# Altium PCB SEC_3002_DZ&HL - 副本.PcbDoc (part 1 of 2) (continued)
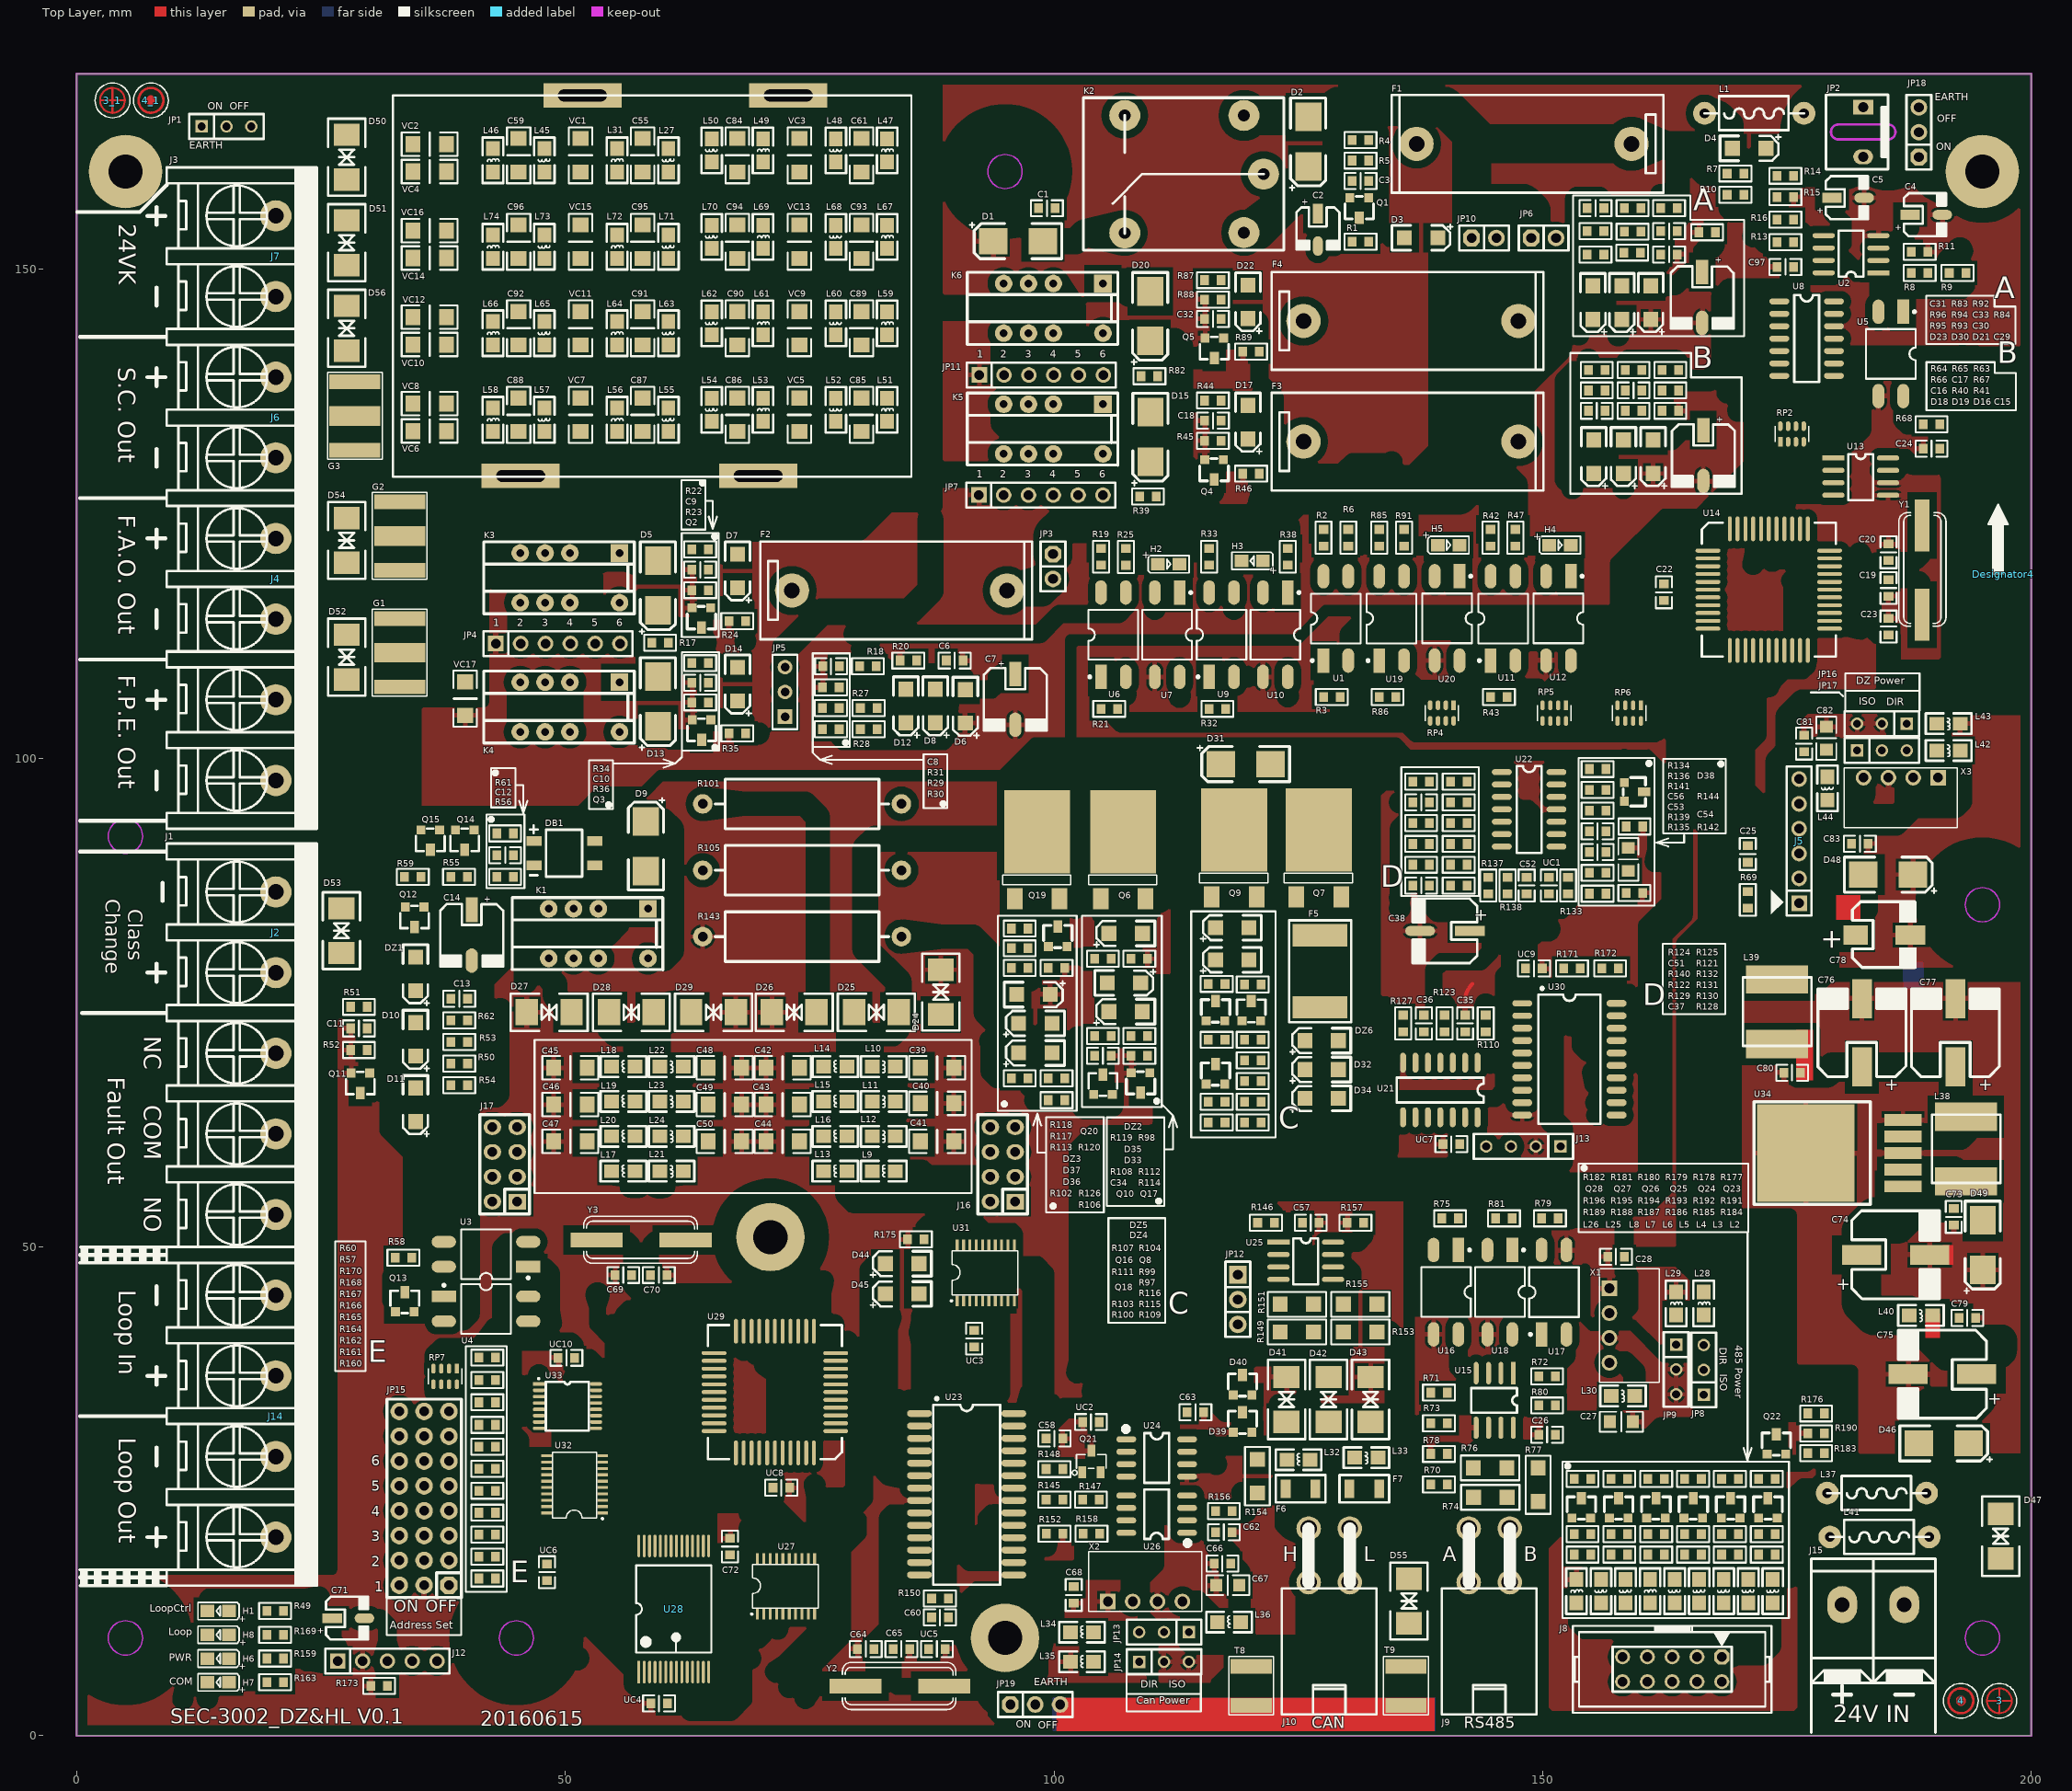
[diagram p0: Top Layer view]
## Components (designator, comment, footprint, x,y, rotation, side; value= is the part's Value field where it differs from the comment) (continued)
F6 "NSM025" NSM025 123.711,25.264 r0 top (schematic designator F4)
F7 "NSM025" NSM025 133.283,25.264 r180 top (schematic designator F4)
G1 "3SPC090F" 3SPC90F-7650 33.068,107.279 r90 top
G2 "3SPC090F" 3SPC90F-7650 33.068,119.215 r90 top
G3 "3SPC090F" 3SPC90F-7650 28.463,131.504 r90 top
H1 "Green" 0805LED 15.596,12.753 r180 top
H2 "Yellow" 0805LED 110.649,119.842 r0 top
H3 "Red" 0805LED 121.389,120.181 r180 top
H4 "Yellow" 0805LED 150.687,121.79 r0 top
H5 "Yellow" 0805LED 139.284,121.79 r0 top
H6 "Red" 0805LED 15.596,7.889 r180 top
H7 "Green" 0805LED 15.596,5.457 r180 top
H8 "Yellow" 0805LED 15.596,10.321 r180 top
J1 "Header 3" BRTB825-02-03 20.387,53.305 r90 top
J2 "Header 2" BRTB825-02-02 20.387,78.055 r90 top
J3 "MHDR1X2" BRTB825-02-02 20.387,97.717 r90 top
J4 "MHDR1X2" BRTB825-02-02 20.387,114.217 r90 top
J5 "TJ5-2.54-6T" SIP-6 176.246,85.158 r90 top
J6 "MHDR1X2" BRTB825-02-02 20.387,130.717 r90 top
J7 "MHDR1X2" BRTB825-02-02 20.387,147.217 r90 top
J8 "DC2-2.54-5Z" 2.54X5Z 168.337,8.061 r180 top
J9 "OUTPUT" "MX 4.2-2*2-180" 142.44,21.196 r270 top
J10 "INPUT1" "MX 4.2-2*2-180" 126.063,21.196 r270 top
J12 "CON5" TJ5_100_5PIN 26.719,7.632 r0 top
J13 "CON4" SIP4 151.846,60.27 r180 top
J14 "CON4" BRTB825-02-04 20.387,20.305 r90 top
J15 "MHDR1X2" 6.35MM-2PIN 183.829,13.403 r180 top
J16 "HEADER 4X2" TJ5A_100_8PIN 96.032,54.63 r90 top
J17 "HEADER 4X2" TJ5A_100_8PIN 45.08,54.63 r90 top
JP1 "JUMP" SIP-3#1 12.798,164.611 r0 top
JP2 "" JUMP1 182.423,162.398 r270 top
JP3 "" SIP-2 99.902,120.87 r270 top
JP4 "" SIP-6-1 42.898,111.717 r0 top
JP5 "JUMP" HDR1X3 72.488,104.229 r90 top
JP6 "" SIP-2 148.834,153.204 r0 top
JP7 "" SIP-6-1 92.318,126.901 r0 top
JP8 "JUMP" SIP3 166.487,34.877 r90 top
JP9 "JUMP" SIP3 163.664,40.004 r270 top
JP10 "" SIP-2 142.732,153.204 r0 top
JP11 "" SIP-6-1 92.356,139.189 r0 top
JP12 "JUMP" SIP-3#2 118.815,42.07 r90 top
JP13 "JUMP" SIP3 113.795,10.585 r180 top
JP14 "JUMP" SIP3 108.715,7.559 r0 top
JP15 "INPUT" "SW 8" 38.098,15.387 r90 top
JP16 "JUMP" SIP3 182.183,100.776 r0 top
JP17 "JUMP" SIP3 187.263,103.521 r180 top
JP18 "JUMP" SIP-3#3 188.506,161.484 r90 top
JP19 "JUMP" SIP-3#3 95.549,3.185 r0 top
K1 "HFD3/24" HFD3 52.672,82.582 r180 top
K2 "HF7FF/024-1ZTSF" JZC-7FF 107.25,165.739 r0 top
K3 "HFD3/24" HFD3 49.762,118.973 r180 top
K4 "HFD3/24" HFD3 49.762,105.757 r180 top
K5 "HFD3/24" HFD3 99.226,134.193 r180 top
K6 "HFD3/24" HFD3 99.226,146.542 r180 top
L1 "" L_C 166.575,165.96 r0 top
L2 "60Ω-3A-[0805]" L-0805 173.555,13.592 r90 top
L3 "60Ω-3A-[0805]" L-0805 171.044,13.592 r90 top
L4 "60Ω-3A-[0805]" L-0805 168.533,13.592 r90 top
L5 "60Ω-3A-[0805]" L-0805 166.021,13.592 r90 top
L6 "60Ω-3A-[0805]" L-0805 163.51,13.592 r90 top
L7 "60Ω-3A-[0805]" L-0805 160.999,15.968 r270 top
L8 "60Ω-3A-[0805]" L-0805 158.487,13.592 r90 top
L9 "600/3A" L-0805 81.405,57.743 r0 top
L10 "600/3A" L-0805 83.781,68.442 r180 top
L11 "600/3A" L-0805 83.781,64.876 r180 top
L12 "600/3A" L-0805 83.781,61.309 r180 top
L13 "600/3A" L-0805 76.443,57.743 r0 top
L14 "600/3A" L-0805 76.443,68.442 r0 top
L15 "600/3A" L-0805 76.443,64.876 r0 top
L16 "600/3A" L-0805 76.443,61.309 r0 top
L17 "600/3A" L-0805 54.758,57.743 r0 top
L18 "600/3A" L-0805 54.758,68.442 r0 top
L19 "600/3A" L-0805 54.758,64.876 r0 top
L20 "600/3A" L-0805 54.758,61.309 r0 top
L21 "600/3A" L-0805 62.069,57.743 r180 top
L22 "600/3A" L-0805 62.069,68.442 r180 top
L23 "600/3A" L-0805 62.069,64.876 r180 top
L24 "600/3A" L-0805 62.069,61.309 r180 top
L25 "60Ω-3A-[0805]" L-0805 155.976,13.592 r90 top
L26 "60Ω-3A-[0805]" L-0805 153.465,15.968 r270 top
L27 "600/3A" L-0805 60.553,159.964 r90 top
L28 "BEAD" L-0805 166.487,45.404 r270 top
L29 "BEAD" L-0805 163.664,45.404 r270 top
L30 "BEAD" L-0805 159.414,34.757 r180 top
L31 "600/3A" L-0805 55.297,162.34 r270 top
L32 "BEAD" L-0805 123.836,28.232 r0 top
L33 "BEAD" L-0805 133.158,28.441 r180 top
L34 "BEAD" L-0805 101.684,10.585 r0 top
L35 "BEAD" L-0805 101.684,7.559 r0 top
L36 "BEAD" L-0805 116.725,11.624 r0 top
L37 "BL3- 3.5×6" L_C 179.117,24.817 r0 top
L38 "220uH" L-7*7 193.185,63.06 r180 top
L39 "22uH" L-7*7 173.838,77.086 r180 top
L40 "600/3A" L-0805 189.895,42.99 r180 top
L41 "BL3- 3.5×6" L_C 179.392,20.33 r0 top
L42 "BEAD" L-0805 192.728,100.776 r180 top
L43 "BEAD" L-0805 192.728,103.521 r180 top
L44 "BEAD" L-0805 179.149,95.71 r90 top
L45 "600/3A" L-0805 47.859,159.964 r90 top
L46 "600/3A" L-0805 42.603,162.34 r270 top
L47 "600/3A" L-0805 82.934,163.358 r270 top
L48 "600/3A" L-0805 77.678,160.982 r90 top
L49 "600/3A" L-0805 70.24,163.358 r270 top
L50 "600/3A" L-0805 64.984,160.982 r90 top (schematic designator L49)
L51 "600/3A" L-0805 82.934,136.817 r270 top
L52 "600/3A" L-0805 77.678,134.441 r90 top
L53 "600/3A" L-0805 70.24,136.817 r270 top
L54 "600/3A" L-0805 64.984,134.441 r90 top
L55 "600/3A" L-0805 60.553,133.423 r90 top
L56 "600/3A" L-0805 55.297,135.799 r270 top
L57 "600/3A" L-0805 47.859,133.423 r90 top
L58 "600/3A" L-0805 42.603,135.799 r270 top
L59 "600/3A" L-0805 82.934,145.664 r270 top
L60 "600/3A" L-0805 77.678,143.288 r90 top
L61 "600/3A" L-0805 70.24,145.664 r270 top
L62 "600/3A" L-0805 64.984,143.288 r90 top
L63 "600/3A" L-0805 60.553,142.27 r90 top
L64 "600/3A" L-0805 55.297,144.646 r270 top
L65 "600/3A" L-0805 47.859,142.27 r90 top
L66 "600/3A" L-0805 42.603,144.646 r270 top
L67 "600/3A" L-0805 82.934,154.511 r270 top
L68 "600/3A" L-0805 77.678,152.135 r90 top
L69 "600/3A" L-0805 70.24,154.511 r270 top
L70 "600/3A" L-0805 64.984,152.135 r90 top
L71 "600/3A" L-0805 60.553,151.117 r90 top
L72 "600/3A" L-0805 55.297,153.493 r270 top
L73 "600/3A" L-0805 47.859,151.117 r90 top
L74 "600/3A" L-0805 42.603,153.493 r270 top
Q1 "8050" SOT-23 131.241,156.305 r180 top
Q2 "8050" SOT-23 63.928,114.362 r180 top
Q3 "8050" SOT-23 63.953,102.904 r180 top
Q4 "8050" SOT-23 116.387,129.497 r180 top
Q5 "8050" SOT-23 116.412,141.954 r180 top
Q6 "TIP122" TO252-(BCE) 107.077,92.475 r0 top
Q7 "NTD20P06L-D" TO252-(GDS) 127.105,92.66 r0 top
Q8 "8050" SOT-23 120.191,74.134 r0 top
Q9 "NTD20P06L-D" TO252-(GDS) 118.449,92.66 r0 top
Q10 "8550" SOT-23 105.013,66.604 r0 top
Q11 "8050" SOT-23 29.035,66.769 r180 top
Q12 "1015" SOT-23 34.58,83.748 r180 top
Q13 "1815" SOT-23 33.578,44.372 r0 top
Q14 "1815" SOT-23 39.711,91.639 r180 top
Q15 "1815" SOT-23 36.191,91.639 r180 top
Q16 "8050" SOT-23 116.532,74.134 r0 top
Q17 "8050" SOT-23 108.861,66.782 r180 top
Q18 "8050" SOT-23 116.532,67.673 r0 top
Q19 "IRF630" TO252-(GDS) 98.287,92.475 r0 top
Q20 "8050" SOT-23 100.394,81.737 r0 top
Q21 "PNP" SOT23 102.881,26.945 r0 top
Q22 "8050" SOT-23 173.919,29.83 r0 top
Q23 "8050" SOT-23 173.055,23.282 r0 top
Q24 "8050" SOT-23 169.236,23.282 r0 top
Q25 "8050" SOT-23 165.418,23.282 r0 top
Q26 "8050" SOT-23 161.6,23.282 r0 top
Q27 "8050" SOT-23 157.782,23.282 r0 top
Q28 "8050" SOT-23 153.963,23.282 r0 top
R1 "2K" R-0603 132.222,152.836 r180 top
R2 "10K" R-0603 127.577,123.396 r270 top
R3 "1K" R-0603 129.277,106.258 r180 top
R4 "10K" R-0603 130.522,163.211 r0 top
R5 "4.7K" R-0603 130.522,161.124 r0 top
R6 "4.7K" R-0603 130.117,121.696 r90 top
R7 "330K" R-0603 170.58,159.805 r180 top
R8 "330K" R-0603 187.736,149.618 r0 top
R9 "10K" R-0603 193.304,149.618 r180 top
R10 "330K" R-0603 168.88,157.625 r0 top
R11 "330K" R-0603 189.436,151.793 r180 top
R13 "330K" R-0603 175.689,152.789 r180 top
R14 "330K" R-0603 173.989,159.568 r0 top
R15 "220K" R-0603 175.689,157.388 r180 top
R16 "330K" R-0603 173.989,155.09 r0 top
R17 "4.7K" R-0603 60.553,111.811 r180 top
R18 "10K" R-0603 81.804,109.385 r180 top
R19 "10K" R-0603 104.812,121.447 r270 top
R20 "10K" R-0603 85.95,109.983 r180 top
R21 "1K" R-0603 106.512,105.038 r180 top
R22 "10K" R-0603 64.657,121.355 r180 top
R23 "4.7K" R-0603 62.957,117.178 r0 top
R24 "4.7K" R-0603 68.444,114.002 r180 top
R25 "10K" R-0603 107.352,121.426 r270 top
R27 "10K" R-0603 81.893,105.106 r180 top
R28 "100K" R-0603 81.893,102.966 r180 top
R29 "10K" R-0603 78.028,105.106 r180 top
R30 "100K" R-0603 78.028,102.966 r180 top
R31 "10K" R-0603 78.028,107.245 r180 top
R32 "1K" R-0603 117.581,105.038 r180 top
R33 "10K" R-0603 115.881,121.447 r270 top
R34 "10K" R-0603 62.957,109.711 r0 top
R35 "4.7K" R-0603 68.444,102.523 r180 top
R36 "10K" R-0603 64.657,105.696 r180 top
R38 "10K" R-0603 123.929,121.447 r270 top
R39 "4.7K" R-0603 110.472,126.757 r180 top
R40 "10K" R-0603 160.156,135.529 r180 top
R41 "10K" R-0603 162.219,135.529 r0 top
R42 "10K" R-0603 144.682,123.396 r270 top
R43 "1K" R-0603 146.382,106.258 r180 top
R44 "10K" R-0603 117.116,136.575 r180 top
R45 "10K" R-0603 115.416,132.458 r0 top
R46 "4.7K" R-0603 121.023,129.091 r180 top
R47 "10K" R-0603 147.222,123.396 r270 top
R49 "1K" R-0603 21.164,12.753 r180 top
R50 "10K" R-0603 40.01,68.749 r180 top
R51 "10K" R-0603 29.739,74.556 r180 top
R52 "4.7K" R-0603 28.039,70.137 r0 top
R53 "4.7K" R-0603 38.31,70.958 r0 top
R54 "2K" R-0603 40.01,66.539 r180 top
R55 "330K" R-0603 38.278,87.843 r0 top
R56 "1.5M" R-0603 43.003,87.843 r0 top
R57 "10K" R-0603 41.171,36.385 r0 top
R58 "47K" R-0603 34.282,48.9 r180 top
R59 "1.2K" R-0603 35.252,87.843 r180 top
R60 "4.7K" R-0603 41.171,38.669 r0 top
R61 "560K" R-0603 43.003,92.294 r0 top
R62 "100K" R-0603 38.31,73.168 r0 top
R63 "10K" R-0603 162.219,139.688 r0 top
R64 "100K" R-0603 154.694,139.688 r0 top
R65 "10K" R-0603 158.456,139.688 r0 top
R66 "100K" R-0603 154.694,137.609 r0 top
R67 "10K" R-0603 162.219,137.609 r0 top
R68 "10K" R-0603 190.638,134.137 r180 top
R69 "10K" R-0603 170.998,84.652 r90 top
R70 "30K" R-0603 140.245,25.689 r180 top
R71 "4.7K" R-0603 138.545,35.087 r0 top
R72 "4.7K" R-0603 151.306,36.758 r180 top
R73 "4.7K" R-0603 140.245,31.954 r180 top
R74 "10" R-1206 142.934,24.376 r0 top
R75 "1K" R-0603 141.385,52.915 r180 top
R76 "120" R-1206 146.337,27.391 r180 top
R77 "10" R-1206 149.548,23.955 r90 top
R78 "30K" R-0603 138.545,28.821 r0 top
R79 "4.7K" R-0603 149.9,52.915 r0 top
R80 "1K" R-0603 149.606,33.774 r0 top
R81 "1K" R-0603 146.899,52.915 r180 top
R82 "4.7K" R-0603 110.622,139.064 r180 top
R83 "10K" R-0603 158.345,156.255 r0 top
R84 "10K" R-0603 167.682,153.79 r180 top
R85 "10K" R-0603 133.279,123.396 r270 top
R86 "1K" R-0603 134.979,106.258 r180 top
R87 "10K" R-0603 117.116,148.892 r180 top
R88 "4.7K" R-0603 115.416,146.909 r0 top
R89 "4.7K" R-0603 121.023,141.581 r180 top
R91 "10K" R-0603 135.819,123.396 r270 top
R92 "10K" R-0603 163.794,156.255 r180 top
R93 "100K" R-0603 158.32,151.712 r0 top
R94 "10K" R-0603 160.045,153.843 r180 top
R95 "100K" R-0603 154.569,151.516 r0 top
R96 "10K" R-0603 156.269,153.9 r180 top
R97 "3K" R-0603 119.487,69.064 r0 top
R98 "10K" R-0603 109.59,79.478 r180 top
R99 "10K" R-0603 121.187,71.18 r180 top
R100 "3K" R-0603 117.503,62.715 r180 top
R101 "1/3W" AXIAL-0.8A 84.378,95.323 r180 top
R102 "1K" R-0603 97.351,67.232 r180 top
R103 "10K" R-0603 115.803,64.831 r0 top
R104 "3K" R-0603 119.487,76.852 r0 top
R105 "150/3W" AXIAL-0.8A 64.075,88.515 r0 top
R106 "4.7K" R-0603 101.123,65.006 r180 top
R107 "10K" R-0603 115.803,76.902 r0 top
R108 "4.7K" R-0603 105.855,71.581 r180 top
R109 "10K" R-0603 121.187,62.715 r180 top
R110 "3K" R-0603 144.178,73.713 r270 top
R111 "10K" R-0603 117.503,71.18 r180 top
R112 "1K" R-0603 107.89,71.581 r0 top
R113 "10K" R-0603 95.651,78.52 r0 top
R114 "10K" R-0603 107.89,69.552 r0 top
R115 "3K" R-0603 119.487,64.831 r0 top
R116 "10K" R-0603 119.487,66.947 r0 top
R117 "10K" R-0603 97.351,80.541 r180 top
R118 "3K" R-0603 95.651,82.561 r0 top
R119 "3K" R-0603 105.855,79.478 r180 top
R120 "10K" R-0603 101.123,78.52 r180 top
R121 "3K" R-0603 142.268,95.466 r180 top
R122 "15K" R-0603 138.425,91.217 r180 top
R123 "2K" R-0603 139.961,72.013 r90 top
R124 "4.7K" R-0603 138.425,97.591 r180 top
R125 "10K" R-0603 142.268,97.591 r180 top
R126 "4.7K" R-0603 99.423,67.232 r0 top
R127 "2K" R-0603 135.744,72.013 r90 top
R128 "4.7K" R-0603 142.268,86.968 r180 top
R129 "100" R-0603 136.725,89.093 r0 top
R130 "10K" R-0603 140.568,89.093 r0 top
R131 "7.5K" R-0603 140.568,91.217 r0 top
R132 "18K" R-0603 142.268,93.342 r180 top
R133 "200K" R-0603 152.604,87.817 r270 top
R134 "51K" R-0603 156.473,98.88 r180 top
R135 "20K" R-0603 156.473,86.133 r180 top
R136 "10K" R-0603 156.473,96.756 r180 top
R137 "3.3K" R-0603 144.448,86.117 r90 top
R138 "1.5k" R-0603 146.406,86.117 r90 top
R139 "10K" R-0603 156.473,88.258 r180 top
R140 "10K" R-0603 136.725,93.342 r0 top
R141 "10K" R-0603 156.473,94.631 r180 top
R142 "51K" R-0603 158.538,86.206 r0 top
R143 "2/3W" AXIAL-0.8A 84.378,81.746 r180 top
R144 "33K" R-0603 158.552,93 r0 top
R145 "4.7K" R-0603 99.198,24.147 r0 top
R146 "1K" R-0603 120.841,52.465 r0 top
R147 "390R" R-0603 104.64,24.147 r180 top
R148 "10K" R-0603 100.898,27.271 r180 top
R149 "10" R-1206 126.567,41.293 r180 top
R150 "1.5K" R-0603 89.185,14.028 r180 top
R151 "10" R-1206 126.567,44.133 r180 top
R152 "4.7K" R-0603 100.909,20.668 r180 top
R153 "10" R-1206 129.626,41.293 r0 top
R154 "120" R-1206 120.812,24.827 r90 top
R155 "10" R-1206 129.626,44.133 r0 top
R156 "390" R-0603 118.234,22.957 r180 top
R157 "1K" R-0603 130.007,52.465 r0 top
R158 "2K" R-0603 102.999,20.668 r0 top
R159 "1K" R-0603 21.164,7.889 r180 top
R160 "10K" R-0603 41.171,16.074 r0 top
R161 "10K" R-0603 41.171,18.32 r0 top
R162 "10K" R-0603 41.171,20.565 r0 top
R163 "1K" R-0603 21.164,5.457 r180 top
R164 "10K" R-0603 41.171,22.81 r0 top
R165 "10K" R-0603 41.171,25.056 r0 top
R166 "10K" R-0603 41.171,27.301 r0 top
R167 "10K" R-0603 41.171,29.546 r0 top
R168 "10K" R-0603 41.171,31.792 r0 top
R169 "1K" R-0603 21.164,10.321 r180 top
R170 "10K" R-0603 42.871,34.101 r180 top
R171 "100" R-0603 152.16,78.477 r0 top
R172 "100" R-0603 156.055,78.477 r0 top
R173 "10K" R-0603 30.099,5.08 r0 top
R175 "47K" R-0603 85.022,50.768 r0 top
R176 "10K" R-0603 178.838,32.962 r180 top
R177 "10K" R-0603 172.084,26.27 r0 top
R178 "10K" R-0603 168.314,26.27 r0 top
R179 "10K" R-0603 164.544,26.27 r0 top
R180 "10K" R-0603 160.774,26.27 r0 top
R181 "10K" R-0603 157.004,26.27 r0 top
R182 "10K" R-0603 153.234,26.27 r0 top
R183 "10K" R-0603 177.138,28.89 r0 top
R184 "10K" R-0603 173.784,18.525 r180 top
R185 "10K" R-0603 168.314,18.525 r0 top
R186 "10K" R-0603 164.544,18.525 r0 top
R187 "10K" R-0603 160.774,18.525 r0 top
R188 "10K" R-0603 157.004,18.525 r0 top
R189 "10K" R-0603 153.234,18.525 r0 top
R190 "3K" R-0603 178.838,30.926 r180 top
R191 "3K" R-0603 172.084,20.613 r0 top
R192 "3K" R-0603 168.314,20.613 r0 top
R193 "3K" R-0603 164.544,20.613 r0 top
R194 "3K" R-0603 160.774,20.613 r0 top
R195 "3K" R-0603 157.004,20.613 r0 top
R196 "3K" R-0603 153.234,20.613 r0 top
RP2 "10K*4" RP4 174.326,132.355 r90 top
RP4 "10K*4" RP4 140.894,105.408 r270 top
RP5 "10K*4" RP4 152.39,105.408 r270 top
RP6 "10K*4" RP4 160.059,105.408 r270 top
RP7 "10K*4" RP4 38.906,37.541 r270 top
T8 "4532-091-LF" 4532-091-LF 120.179,7.105 r270 top
T9 "4532-091-LF" 4532-091-LF 136.027,3.105 r90 top
U1 "EL816S1" SOP-4 127.577,109.974 r90 top
U2 "LM393" SO-8 184.352,149.637 r180 top
U3 "EL816S1" sop-4 46.208,47.972 r180 top
U4 "EL816S1" sop-4 37.58,44.93 r0 top
U5 "EL816S1" SOP-4 186.894,145.66 r270 top
U6 "EL816S1" SOP-4 104.812,108.309 r90 top
U7 "EL816S1" SOP-4 112.859,116.937 r270 top
U8 "LM339" SO-14 174.223,146.72 r0 top
U9 "EL816S1" SOP-4 115.881,108.309 r90 top
U10 "EL816S1" SOP-4 123.929,116.937 r270 top
U11 "EL816S1" SOP-4 144.682,109.974 r90 top
U12 "EL816S1" SOP-4 152.897,118.602 r270 top
U13 "93C46" SO-8 179.756,130.702 r0 top
U14 "PIC16F727" QFP44 166.919,121.221 r90 top
U15 "SP485EN" SO-8 147.006,37.088 r270 top
U16 "EL816S1" SOP-4 141.385,49.681 r270 top
U17 "EL816S1" SOP-4 149.9,41.053 r90 top
U18 "EL816S1" SOP-4 146.899,49.681 r270 top
U19 "EL816S1" SOP-4 133.279,109.974 r90 top
U20 "EL816S1" SOP-4 141.494,118.602 r270 top
U21 "74HC14" SO-14 143.34,68.842 r270 top
U22 "LMV324" SO-14 145.826,98.565 r0 top
U23 "SJA1000" SOP28_1.27_9.65 86.24,32.955 r0 top
U24 "HCPL-0600" IC/SO8/N 107.402,30.317 r0 top
U25 "82C251" SO-8 122.974,50.483 r0 top
U26 "HCPL-0600" IC/SO8/N 113.625,20.749 r180 top
U27 "74HC573" TSSOP20 69.666,12.433 r0 top
U28 "IS65C256AL" TSOP-28 57.529,6.507 r90 top
U29 "STC12C5A60AD" QFP44 77.672,31.16 r270 top
U30 "STC15F204EA" SOP-20 147.915,74.915 r0 top
U31 "74HC273" TSSOP20 90.099,44.479 r0 top
U32 "74HC245" TSSOP20 53.807,22.784 r90 top
U33 "74HC138" TSSOP16 47.303,35.983 r0 top
U34 "LM2576-5.0" LM2576-5.0 186.88,56.194 r90 top
UC1 "104" C-0603 150.646,87.817 r270 top
UC2 "104" C-0603 104.64,32.077 r180 top
UC3 "104" C-0603 91.842,41.469 r270 top
UC4 "104" C-0603 60.444,3.29 r180 top
UC5 "104" C-0603 87.18,8.862 r0 top
UC6 "104" C-0603 48.141,17.577 r270 top
UC7 "104" C-0603 141.505,60.508 r180 top
UC8 "104" C-0603 71.253,25.363 r0 top
UC9 "104" C-0603 148.265,78.477 r0 top
UC10 "104" C-0603 50.968,38.651 r180 top
VC1 "222/1KV" C-1206 51.572,159.946 r90 top
VC2 "222/1KV" C-1206 37.839,162.8 r180 top
VC3 "222/1KV" C-1206 73.952,163.375 r270 top
VC4 "222/1KV" C-1206 37.839,160 r180 top
VC5 "222/1KV" C-1206 73.952,136.834 r270 top
VC6 "222/1KV" C-1206 37.839,133.459 r180 top
VC7 "222/1KV" C-1206 51.572,133.405 r90 top
VC8 "222/1KV" C-1206 37.839,136.259 r180 top
VC9 "222/1KV" C-1206 73.952,145.681 r270 top
VC10 "222/1KV" C-1206 37.839,142.306 r180 top
VC11 "222/1KV" C-1206 51.572,142.252 r90 top
VC12 "222/1KV" C-1206 37.839,145.106 r180 top
VC13 "222/1KV" C-1206 73.952,154.528 r270 top
VC14 "222/1KV" C-1206 37.839,151.153 r180 top
VC15 "222/1KV" C-1206 51.572,151.099 r90 top
VC16 "222/1KV" C-1206 37.839,153.953 r180 top
VC17 "222/1KV" C-1206 39.766,104.366 r90 top
X1 "B0505S-1WR2_" B050S-1WR2 156.834,45.768 r90 top
X2 "B0505S-1WR2_" B050S-1WR2 105.519,13.726 r180 top
X3 "B0505S-1WR2_" B050S-1WR2 190.459,97.997 r0 top
Y1 "8MHz" X_HC-49SMD 188.838,119.232 r90 top
Y2 "24M" X_HC-49SMD 84.234,5.062 r180 top
Y3 "16M" X_HC-49SMD 57.768,50.708 r180 top

## Footprints (in the part's own frame and the unit in brackets; to place one, negate y for a bottom-side part, rotate by r counter-clockwise, add the part's x,y. Pads: shape width x height; smd on the part's side, far side on the other; paste and mask are expansions set on the pad)
2.54X5Z [mil]
  oct 60x60 hole 39.37: 1(0,0)
  round 60 hole 39.37: 2(0,100) 3(100,0) 4(100,100) 5(200,0) 6(200,100) 7(300,0) 8(300,100) 9(400,0) 10(400,100)
  silkscreen extent -200,-125 600,225
3SPC90F-7650 [mm]
  rect 1.5x5.2 smd: 1(0,0) 3(7,0)
  rect 2x5.2 smd: 2(3.5,0)
  silkscreen extent -0.95,-2.8 7.96,2.8
6.35MM-2PIN [mil]
  oval 120x150 hole 60: 1(-125,0) 2(125,0)
  silkscreen extent -250,-185 250,515
0805LED [mm]
  rect 1.4x1.27 smd: A(0,0) K(2.21,0)
  silkscreen extent -1.02,-0.89 3.17,0.89
1206D [mil]
  rect 60x60 smd: A(0,0) K(135,0)
  silkscreen extent -60,-55 185,50
4526D [mil]
  rect 115x105 smd: A(0,0) K(200,0)
  silkscreen extent -95,-70 276,75
4532-091-LF [mm]
  rect 1.5x4.2 smd: 1(0,0) 2(4,0)
  silkscreen extent -1,-2.3 5,2.3
AXIAL-0.8A [mm]
  round 2 hole 1: 1(-0.009,0.01) 2(20.311,0.01)
  silkscreen extent 1.26,-2.53 19.04,2.55
B050S-1WR2 [mm]
  rect 1.6x1.6 hole 1: 1(0,0)
  round 1.6 hole 1: 2(-2.54,0) 3(-5.08,0) 4(-7.62,0)
  silkscreen extent -9.61,-5.1 1.99,1
BRTB825-02-02 [mm]
  round 3.2 hole 1.6: 1(0,0) 2(8.25,0)
  silkscreen extent -4.95,-4.2 13.2,11.18
BRTB825-02-03 [mm]
  round 3.2 hole 1.6: 1(0,0) 2(8.25,0) 3(16.5,0)
  silkscreen extent -4.95,-4.2 21.45,11.18
BRTB825-02-04 [mm]
  round 3.2 hole 1.6: 1(0,0) 2(8.25,0) 3(16.5,0) 4(24.75,0)
  silkscreen extent -4.95,-4.2 29.7,11.18
C-0603 [mm]
  rect 0.9x1 smd: 1(0,0) 2(1.7,0)
  silkscreen extent -0.78,-0.82 2.48,0.82, body extent -0.33,-0.61 2.03,0.62, height 1.4
C-0805 [mm]
  rect 1.2x1.3 smd: 1(0,0) 2(2.36,0)
  silkscreen extent -1.02,-1.02 3.38,1.02
C-1206 [mil]
  rect 60x64.96 smd: 1(0,0) 2(135,0)
  silkscreen extent -45,-47 180,47
CAP--SMD--6.6*5.3 [mil] "贴"
  rect 40x120 smd: 1(0,0)
  oval 40x120 smd: 2(0,-200)
  silkscreen extent -131,-230 130,30
CAP-SMD-4*5.7 [mm] "贴"
  rect 1.016x2 smd: 1(0,3.802)
  oval 1.016x2 smd: 2(0,0.5)
  silkscreen extent -2.18,0.13 2.22,4.44
CAP-SMD-6.3 [mm]
  rect 2.5x2 smd: 1(0,0)
  rect 3.059x2 smd: 2(5.588,0)
  silkscreen extent -0.33,-3.43 6.22,3.43
CAP-SMD-6.3*5.7 [mm] "贴"
  rect 1.25x2.5 smd: 1(0,0)
  oval 1.25x2.5 smd: 2(0,-5.2)
  silkscreen extent -3.22,-5.8 3.22,0.6
CAP-SMD-8*8*10 [mm]
  rect 2x4 smd: 1(5,7.5) 2(5,0.5)
  silkscreen extent 0.5,-0.5 9.61,8.5
FUSE [mm]
  round 3.5 hole 1.6: 1(-22,0) 2(0,0)
  silkscreen extent -25.25,-5 2.55,5
HDR1X3 [mm] "Connector; Header; 3 Position"
  rect 1.5x1.5 hole 0.9: 1(0,0)
  round 1.5 hole 0.9: 2(2.54,0) 3(5.08,0)
  silkscreen extent -1.27,-1.27 6.35,1.27
HFD3 [mil]
  rect 71x71 hole 32: 1(-228,-79)
  round 71 hole 32: 3(-28,-79) 4(72,-79) 5(172,-79) 9(72,121) 10(-28,121) 12(-228,121)
  round 70.87 hole 32: 8(172,121)
  silkscreen extent -288,-124 319,167
IC/SO8/N [mil]
  oval 80x24 smd: 1(0,0) 2(0,-50) 3(0,-100) 4(0,-150) 5(245,-150) 6(245,-100) 7(245,-50) 8(245,0)
  silkscreen extent -12,-175 173,51
JUMP1 [mil]
  rect 60x80 hole 40: 1(-165,15)
  oval 60x80 hole 40: 2(35,15)
  Keep-Out Layer lines w10: -35,-85 cw(c-65,-85) -95,-85 -95,115 cw(c-65,115) -35,115 -35,-85
  silkscreen extent -215,-135 85,115
JZC-7FF [mil]
  round 125 hole 47.24: 1(559,-236) 1A(0,0) 1C(0,-473) 2(480,0) 3(480,-472)
  silkscreen extent -167,-543 641,71
L-7*7 [mm]
  rect 6.35x2.886 smd: 1(-0.128,-0.259) 2(-0.128,6.345)
  silkscreen extent -3.67,-0.48 3.33,6.52
L-0805 [mm]
  rect 1.5x1.4 smd: 1(0,0) 2(2.376,0)
  silkscreen extent -1.14,-1.05 3.52,1.05
L_C [mil]
  round 92 hole 39.37: 1(0,0) 2(400,0)
  silkscreen extent 0,-68 400,69
LM2576-5.0 [mm]
  rect 10x10 smd: 0(3.4,9.954)
  rect 1.2x3.81 smd: 1(0,0) 2(1.7,0) 3(3.4,0) 4(5.1,0) 5(6.8,0)
  silkscreen extent -1.84,3.35 8.64,15.24
MARK [mm]
  round 2.75 on Top Solder: 1(0,0)
  round 1.016 on Top Paste: 1(0,0)
  Top Layer circle w0.254: c0,0 r1.27
  Top Layer circle w0.508: c0,0 r0.254
  silkscreen extent -1.78,-1.78 1.78,1.78
MB2S [mm]
  rect 1.554x0.954 smd: 1(0,0) 2(6.2,-2.5) 3(0,-2.5) 4(6.2,0)
  silkscreen extent 1.27,-4.06 6.6,1.15
"MX 4.2-2*2-180" [mm]
  round 2.5 hole 1.7: 1(0,0) 2(0,4.2) 3(5.5,0) 4(5.5,4.2)
  silkscreen extent 0,-2.75 19.03,6.95
NSM025 [mm]
  rect 1x1.9 smd: 1(0,0) 2(3.048,0)
  silkscreen extent -1.02,-1.4 4.06,1.4
QFP44 [mil]
  oval 16x100 smd: 1(0,0) 2(-31,0) 3(-63,0) 4(-94,0) 5(-126,0) 6(-157,0) 7(-188,0) 8(-220,0) 9(-251,0) 10(-283,0) 11(-314,0) 23(-314,-490) 24(-283,-490) 25(-251,-490) 26(-220,-490) 27(-188,-490) 28(-157,-490) 29(-126,-490) 30(-94,-490) 31(-63,-490) 32(-31,-490) 33(0,-490)
  oval 100x16 smd: 12(-402,-88) 13(-402,-119) 14(-402,-151) 15(-402,-182) 16(-402,-214) 17(-402,-245) 18(-402,-276) 19(-402,-308) 20(-402,-339) 21(-402,-371) 22(-402,-402) 34(88,-402) 35(88,-371) 36(88,-339) 37(88,-308) 38(88,-276) 39(88,-245) 40(88,-214) 41(88,-182) 42(88,-151) 43(88,-119) 44(88,-88)
  silkscreen extent -427,-515 113,25
R-0603 [mm]
  rect 0.9x1 smd: 1(0,0) 2(1.7,0)
  silkscreen extent -0.78,-0.82 2.48,0.82, body extent -0.33,-0.61 2.03,0.62, height 1.4
R-1206 [mil]
  rect 60x60 smd: 1(0,0) 2(135,0)
  silkscreen extent -50,-50 185,50
RP4 [mm]
  rect 1x0.457 smd: 1(0,0)
  oval 1x0.457 smd: 2(0,-0.8) 3(0,-1.6) 4(0,-2.4) 5(1.6,-2.4) 6(1.6,-1.6) 7(1.6,-0.8) 8(1.6,0)
  silkscreen extent 0,-2.91 1.6,0.51
SIP3 [mil]
  rect 50x50 hole 32: 1(0,0)
  round 50 hole 32: 2(100,0) 3(200,0)
  silkscreen extent -50,-50 250,50
SIP4 [mil]
  rect 50x50 hole 32: 1(0,0)
  round 50 hole 32: 2(100,0) 3(200,0) 4(300,0)
  silkscreen extent -50,-50 350,50
SIP-2 [mm]
  oct 1.7x1.7 hole 1: 1(0,0)
  round 1.7 hole 1: 2(2.54,0)
  silkscreen extent -1.27,-1.27 3.81,1.27
SIP-3#1 [mil]
  rect 50x50 hole 32: 1(0,0)
  round 50 hole 32: 2(100,0) 3(200,0)
  silkscreen extent -50,-50 250,50
SIP-3#2 [mil]
  round 70.87 hole 39.37: 1(0,0) 2(100,0)
  rect 70.87x70.87 hole 39.37: 3(200,0)
  silkscreen extent -50,-50 253,50
SIP-3#3 [mil]
  oct 66.93x66.93 hole 39.37: 1(-0.02,0.24)
  round 66.93 hole 39.37: 2(99.98,0.24) 3(199.98,0.24)
  silkscreen extent -50,-50 250,50
SIP-6 [mm]
  rect 1.6x1.6 hole 1: 1(0,0)
  round 1.6 hole 1: 2(2.54,0) 3(5.08,0) 4(7.62,0) 5(10.16,0) 6(12.7,0)
  silkscreen extent -1.27,-1.27 13.97,2.9
SIP-6-1 [mm]
  rect 1.6x1.6 hole 1: 1(0,0)
  round 1.6 hole 1: 2(2.54,0) 3(5.08,0) 4(7.62,0) 5(10.16,0) 6(12.7,0)
  silkscreen extent -1.27,-1.27 13.97,1.27
SM100 [mm]
  rect 2.3x5.6 smd: 1(0,0) 2(7.366,0)
  silkscreen extent -1.52,-3.18 8.89,3.18
SO-8 [mil]
  rect 90x20 smd: 1(0,0)
  oval 90x20 smd: 2(0,-50) 3(0,-100) 4(0,-150) 5(220,-150) 6(220,-100) 7(220,-50) 8(220,0)
  silkscreen extent 60,-170 160,15
SO-14 [mil]
  oval 80x24 smd: 1(0,0) 2(0,-50) 3(0,-100) 4(0,-150) 5(0,-200) 6(0,-250) 7(0,-300) 8(220,-300) 9(220,-250) 10(220,-200) 11(220,-150) 12(220,-100) 13(220,-50) 14(220,0)
  silkscreen extent 60,-325 160,25
SOP28_1.27_9.65 [mm]
  oval 2.54x0.7 smd: 1(0,0) 2(0,-1.27) 3(0,-2.54) 4(0,-3.81) 5(0,-5.08) 6(0,-6.35) 7(0,-7.62) 8(0,-8.89) 9(0,-10.16) 10(0,-11.43) 11(0,-12.7) 12(0,-13.97) 13(0,-15.24) 14(0,-16.51) 15(9.652,-16.51) 16(9.652,-15.24) 17(9.652,-13.97) 18(9.652,-12.7) 19(9.652,-11.43) 20(9.652,-10.16) 21(9.652,-8.89) 22(9.652,-7.62) 23(9.652,-6.35) 24(9.652,-5.08) 25(9.652,-3.81) 26(9.652,-2.54) 27(9.652,-1.27) 28(9.652,0)
  silkscreen extent 1.4,-17.53 8.25,1.65
SOP-4 [mm]
  rect 2.5x1.2 smd: 1(0,0)
  oval 2.5x1.2 smd: 2(0,-2.54) 3(8.628,-2.54) 4(8.628,0)
  silkscreen extent -0.13,-3.81 6.85,1.27
sop-4 [mm]
  rect 2.5x1.2 smd: 1(0,0)
  oval 2.5x1.2 smd: 2(0,-2.54) 3(8.628,-2.54) 4(8.628,0)
  silkscreen extent -0.13,-3.81 6.85,1.27
SOP-20 [mil]
  oval 80x24 smd: 1(0,0) 2(0,-50)
  oval 80x27.56 smd: 3(0,-100) 4(0,-150) 5(0,-200) 6(0,-250) 7(0,-300) 8(0,-350) 9(0,-400) 10(0,-450) 11(380,-450) 12(380,-400) 13(380,-350) 14(380,-300) 15(380,-250) 16(380,-200) 17(380,-150) 18(380,-100) 19(380,-50) 20(380,0)
  silkscreen extent 65,-485 315,65
SOT23 [mil]
  rect 32x48 smd: 1(0,0) 2(74.8,0) 3(37.4,86.62)
  silkscreen extent -40,-12 97,71
SOT-23 [mil]
  rect 36x36 smd: B(-37.5,-40) E(37.5,-40)
  rect 36x50 smd: C(0,40)
  silkscreen extent -58,-45 58,45
"SW 8" [mm]
  oct 1.8x1.8 hole 1: A1(0,0)
  round 1.8 hole 1: A2(2.54,0) A3(5.08,0) A4(7.62,0) A5(10.16,0) A6(12.7,0) A7(15.24,0) A8(17.78,0) B1(0,2.54) B2(2.54,2.54) B3(5.08,2.54) B4(7.62,2.54) B5(10.16,2.54) B6(12.7,2.54) B7(15.24,2.54) B8(17.78,2.54) C1(0,5.08) C2(2.54,5.08) C3(5.08,5.08) C4(7.62,5.08) C5(10.16,5.08) C6(12.7,5.08) C7(15.24,5.08) C8(17.78,5.08)
  silkscreen extent -1.27,-1.27 19.05,6.35
TJ5_100_5PIN [mm]
  rect 1.57x1.57 hole 1: 1(0,0)
  round 1.57 hole 1: 2(2.54,0) 3(5.08,0) 4(7.62,0) 5(10.16,0)
  silkscreen extent -1.27,-1.27 11.43,1.27
TJ5A_100_8PIN [mm]
  rect 1.6x1.8 hole 1: 1(0,0)
  oval 1.6x1.8 hole 1: 2(0,2.54) 3(2.54,0) 4(2.54,2.54) 5(5.08,0) 6(5.08,2.54) 7(7.62,0) 8(7.62,2.54)
  silkscreen extent -1.27,-1.27 8.89,3.81
TO252-(BCE) [mm]
  rect 1.6x2.2 smd: B(-2.3,-6.858) E(2.3,-6.858)
  rect 6.75x8.5 smd: C(0,0)
  silkscreen extent -3.55,-5.45 3.45,-4.44
TO252-(GDS) [mm]
  rect 6.75x8.5 smd: D(0,0)
  rect 1.6x2.2 smd: G(-2.3,-6.858) S(2.3,-6.858)
  silkscreen extent -3.55,-5.45 3.45,-4.44
TSOP-28 [mm]
  oval 2.3x0.3 smd: 1(0,-3.85) 2(0,-4.4) 3(0,-4.95) 4(0,-5.5) 5(0,-6.05) 6(0,-6.6) 7(0,-7.15) 8(12.9,-7.15) 9(12.9,-6.6) 10(12.9,-6.05) 11(12.9,-5.5) 12(12.9,-4.95) 13(12.9,-4.4) 14(12.9,-3.85) 15(12.9,-3.3) 16(12.9,-2.75) 17(12.9,-2.2) 18(12.9,-1.65) 19(12.9,-1.1) 20(12.9,-0.55) 21(12.9,0) 23(0,-0.55) 24(0,-1.1) 25(0,-1.65) 26(0,-2.2) 27(0,-2.75) 28(0,-3.3)
  rect 2.3x0.3 smd: 22(0,0)
  silkscreen extent 1.98,-7.42 10.91,0.28
TSSOP16 [mm]
  rect 1.26x0.36 smd: 1(0,0)
  oval 1.26x0.36 smd: 2(0,-0.65) 3(0,-1.3) 4(0,-1.95) 5(0,-2.6) 6(0,-3.25) 7(0,-3.9) 8(0,-4.55) 9(5.842,-4.55) 10(5.842,-3.9) 11(5.842,-3.25) 12(5.842,-2.6) 13(5.842,-1.95) 14(5.842,-1.3) 15(5.842,-0.65) 16(5.842,0)
  silkscreen extent -0.05,-4.79 5.11,0.56
TSSOP20 [mm]
  rect 0.3x1.1 smd: 1(0,0) 2(0.65,0) 3(1.3,0) 4(1.95,0) 5(2.6,0) 6(3.25,0) 7(3.9,0) 8(4.55,0) 9(5.2,0) 10(5.85,0) 11(5.85,5.7) 12(5.2,5.7) 13(4.55,5.7) 14(3.9,5.7) 15(3.25,5.7) 16(2.6,5.7) 17(1.95,5.7) 18(1.3,5.7) 19(0.65,5.7) 20(0,5.7)
  silkscreen extent -0.61,-0.03 6.2,5.1
TVS-A [mil]
  rect 90x105 smd: A(0,0) K(180,0)
  silkscreen extent -65,-75 245,75
X_HC-49SMD [mil]
  rect 210x60 smd: 1(-179.13,0) 2(179.13,0)
  silkscreen extent -226,-96 231,94
原点BP [mm]
  round 2.75 on Top Solder: 0(0,0)
  Top Layer circle w0.203: c0,0 r1.27
  Top Layer lines w0.203: -1.283,0 1.257,0 ; 0,-1.247 0,1.293
  silkscreen extent -1.78,-1.78 1.78,1.78
进板方向 [mm]
  silkscreen extent 0.01,-0.51 7.12,1.52